# Altium PCB PCB1.PcbDoc (part 2 of 3)
Units mil, origin at the board's own origin, x right, y up, seen from the top; angles counter-clockwise.
Board outline 3937.01 x 2755.91 mil, 2 copper layers (Top Layer, Bottom Layer); 150 components, 153 nets, 622 pads, 556 vias.
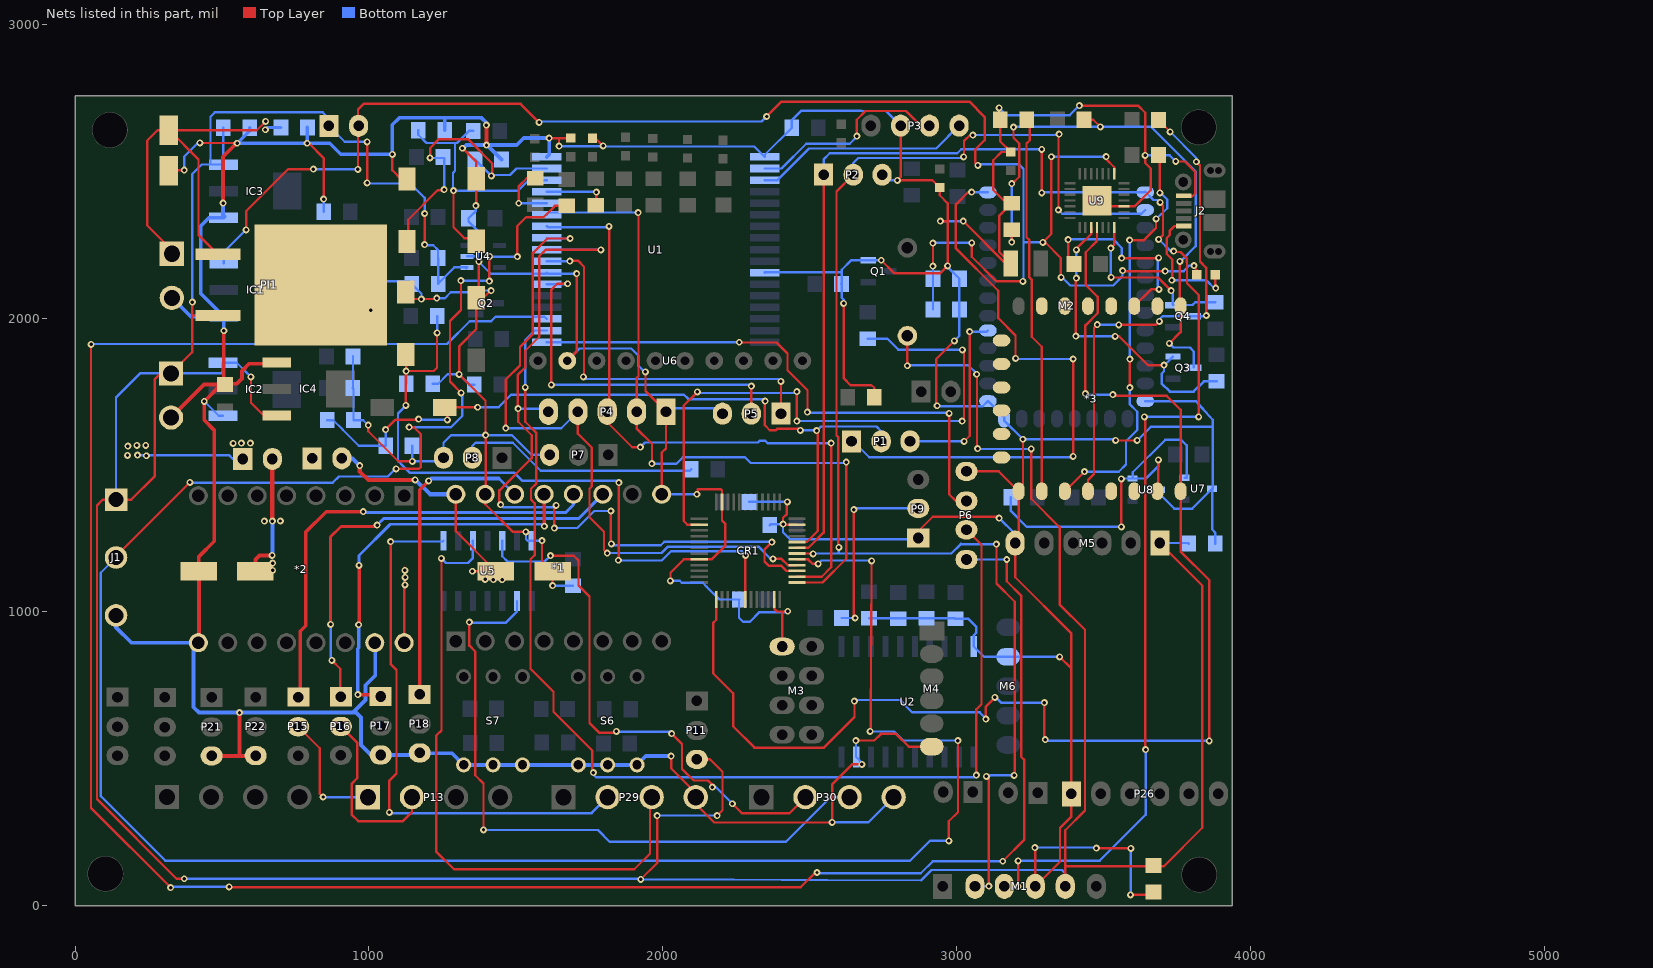
[diagram p2: the nets of this part, all layers, seen from the top]

## Via types
v1: diameter 23.62, hole 11.81, Top Layer to Bottom Layer, tented both sides, 529 vias
v2: diameter 23.62, hole 11.81, Top Layer to Bottom Layer, 27 vias

## Nets (pads, with @x,y where several pads share a name; then routed paths per layer and width w, separated by ;. In a path a pad name is that pad's centre, name@x,y a point inside that pad or via, vN(x,y) a via of type N, cw(c..) or ccw(c..) an arc to the next point about the centre after c; other vN are vias at no path point) (continued)
5V: B1.1 C1.2 C16.2 C22.2 C26.2 IC2.3 IC3.3 IC4.3 J1.1 M1.5 M5.1 P11.3 P23.1 P25.1 PI1.3 R23.2 U4.1 | length 13568.5
  Top Layer w8: v1(371.5,92.5) 345.5,92.5 74.5,363.5 74.5,1362.5 94.2,1382.2 J1.1@139.5,1382.2 191.2,1382.2 271.5,1462.5 271.5,1792 291,1811.5 P23.1@326.5,1811.5 399,1884 399,2008.5 ; v1(399,2054) 399,2008.5 ; PI1.3@486,2008.56 399.06,2008.56 399,2008.5 ; v1(598.5,1799.5) 598.5,1711.5 641.66,1668.34 IC4.3@686.5,1668.34 ; v1(993.5,2459.5) v1(993.5,2599.5) ; v1(1189.5,2249.5) v1(1189.5,2355.5) ; v1(1924.5,90.5) 1980.5,146.5 v1(1980.5,307.5) ; P11.3@2142.5,498.5 P11.3@2115.5,498.5 2116.5,499.5 2159.5,499.5 2202.5,456.5 2202.5,325.5 v1(2184.5,307.5) ; v1@2831.5,1833.5 v1(2831.5,1837.5) B1.1@2831.5,1939.5 ; v2(3067.25,1808.75) 3068.5,1807.5 3068.5,1557.5 v1(3070.5,1555.5) ; v1@3252.8,1556.06 v1(3252.8,1554.56) 3252.8,1385.2 3349.5,1288.5 3349.5,1025.5 3435.5,939.5 3435.5,324.5 3368.5,257.5 3368.5,133.5 ; M1.5@3368.5,66.5 3368.5,133.5 ; M5.1@3690.35,1234.5 3834.69,1090.16 3834.69,265.69 3704,135 3370,135 3368.5,133.5
  Bottom Layer w8: J1.1@139.5,1382.2 139.5,1729.5 221.5,1811.5 P23.1@326.5,1811.5 496.5,1811.5 503,1818 IC2.3@503,1847.66 550.34,1847.66 v1(598.5,1799.5) ; v1(371.5,92.5) 1922.5,92.5 v1(1924.5,90.5) 2878.12,86.5 2913.62,122 3357,122 3368.5,110.5 M1.5@3368.5,66.5 ; v1(399,2054) 399,2490 431.16,2522.16 IC3.3@460.84,2522.16 ; C16.2@504.5,2647.5 504.5,2522.16 IC3.3@460.84,2522.16 ; v1(993.5,2459.5) 995.5,2457.5 1140.5,2457.5 1189.5,2408.5 v1(1189.5,2355.5) ; v1(993.5,2599.5) 917.5,2599.5 P25.1@863.5,2653.5 863.5,2678.5 842.5,2699.5 475.5,2699.5 460.84,2684.84 IC3.3@460.84,2522.16 ; v1(1189.5,2249.5) 1191.5,2247.5 1218.5,2247.5 1234.5,2231.5 R23.2@1234.5,2204.5 1235.5,2203.5 C22.2@1235.5,2117.5 ; C22.2@1235.5,2115.5 C22.2@1235.5,2117.5 ; U4.1@1331.15,2169.5 U4.1@1333.75,2172.1 1290.1,2172.1 C22.2@1235.5,2117.5 ; v1(1980.5,307.5) v1(2184.5,307.5) ; v1@2834.31,1834.69 v1(2831.5,1837.5) 2833.31,1839.31 3038.69,1839.31 3067.25,1810.75 v2(3067.25,1808.75) ; v1(3070.5,1555.5) 3071.44,1554.56 v1(3252.8,1554.56) ; M5.1@3692.35,1232.5 M5.1@3690.35,1234.5 3786.5,1234.5 C26.2@3788.5,1232.5
5V_USB: D11.1 J2.1 | length 446.2
  Top Layer w8: v1@3728.01,2131.99 v1(3731.5,2128.5) 3732.31,2129.31 3732.31,2199.02 3713.69,2217.64 3713.69,2272.39 3724.5,2283.2 3724.5,2297.5 3740.08,2313.08 J2.1@3770.5,2313.08 ; D11.1@3879,2147.5 3879,2103 v1(3880.5,2101.5)
  Bottom Layer w8: v1(3731.5,2128.5) 3847.26,2128.5 3850.38,2125.38 3851,2126 3875.5,2101.5 v1(3880.5,2101.5)
5V_WIFI: C34.2 C35.2 D11.2 IC1.3 P25.2 U9.8 | length 5723.8
  Top Layer w8: v1(582,2299.5) 582,2363 725.5,2506.5 v1(810.5,2506.5) ; v1(962.5,2505.5) 962.5,2709 981.81,2728.31 1515.69,2728.31 v1(1578.5,2665.5) ; v1(2352.5,2685.5) 2403,2736 3042.33,2736 3094.31,2684.02 3094.31,2605.01 3062.69,2573.39 3062.69,2528.31 v1(3071.5,2519.5) v1@3073.56,2519.5 ; v1@2918.5,2172.5 v1(2918.5,2176.5) v1(2918.5,2254.5) ; v1(3050.5,2255.5) 3050.5,2208.5 3134.5,2124.5 v1(3224.5,2124.5) ; v1(3321.5,2548.63) 3321.5,2286.5 v1(3292.5,2257.5) 3300.38,2257.5 3353.5,2204.38 3353.5,2138.5 v1(3354.5,2138.5) ; v1(3507.56,2549.07) 3507.56,2540.77 3535.56,2512.77 U9.8@3535.56,2491 ; v1(3563.5,2161.5) 3565.5,2159.5 v1(3708.5,2159.5) ; v1(3806.5,2178.5) 3802.5,2178.5 3801.5,2177.5 3816,2163 D11.2@3816,2147.5
  Bottom Layer w8: IC1.3@506,2185.66 506,2225 580.5,2299.5 v1(582,2299.5) ; v1(810.5,2506.5) 811.5,2505.5 v1@957.5,2505.5 ; v1@1582.5,2666.5 1584.31,2668.31 2335.31,2668.31 v1(2352.5,2685.5) ; C34.2@2918.5,2029.5 C35.2@2918.5,2133.5 v1@2918.5,2172.5 ; v1@2919.5,2255.5 v1(3050.5,2255.5) ; v1(3071.5,2519.5) 3075.31,2523.31 3107.64,2523.31 3107.83,2523.5 3210.13,2523.5 3226.31,2507.32 3226.31,2257 ; v1(3224.5,2124.5) 3226.31,2126.31 3226.31,2257 ; v1(3292.5,2257.5) 3226.81,2257.5 3226.31,2257 ; v1(3321.5,2548.63) 3507.13,2548.63 v1(3507.56,2549.07) ; v1(3354.5,2138.5) 3357.59,2138.5 3385.4,2110.69 3531.78,2110.69 3563.5,2142.41 v1(3563.5,2161.5) ; v1(3708.5,2159.5) 3771.5,2159.5 3790.5,2178.5 v1(3806.5,2178.5)
12V: C14.2 C15.2 P10.1 P12.1 P24.1 PI1.1 | length 1774
  Top Layer w8: P24.1@329.36,2218.5 329.36,2230.64 245.4,2314.6 245.4,2603.4 280.4,2638.4 C14.2@319.5,2638.4 C14.2@321.1,2638.4 ; PI1.1@486,2216.44 420,2282.44 420,2539.5 C14.2@321.1,2638.4 ; v1(648.5,2669) 617.9,2638.4 C14.2@321.1,2638.4
  Bottom Layer w8: v1(212.5,1533.5) 523.5,1533.5 535.5,1521.5 536.5,1522.5 539.5,1519.5 555.5,1535.5 P12.1@570.5,1520.5
  Bottom Layer w10: v1(647.5,2640.5) 655.5,2648.5 C15.2@700.5,2648.5
  other v1: 242.5,1531.5 178.5,1532.5 179.5,1564.5 210.5,1566.5 240.5,1566.5 537.7,1573.17 565.77,1574.11 596.66,1574.12
12V_STEP: *1.9 *2.9 C12.1 C13.2 P10.2 P12.2 | length 1555.4
  Top Layer w8: P12.2@671.5,1520.5 P12.2@675.63,1524.64 ; *2.9@1119.5,895.5 1119.5,1150.62 1121.88,1148.25 v1(1121.88,1141.49) ; *1.9@1295.5,1400.5 1295.5,1274.5 C12.1@1431.5,1138.5 v1(1351.5,1138.5)
  Top Layer w13.78: C13.2@613.5,1138.5 613.5,1178 628,1192.5 v1(670.5,1192.5) ; v1(968.5,1497.5) 968.5,1478.5 998.5,1448.5 1159.5,1448.5 1159,1449 v1(1157,1449)
  Top Layer w14.96: v1(671.5,1308.76) P12.2@671.5,1520.5
  Bottom Layer w8: v1(670.5,1192.5) v1@671.5,1193.5
  Bottom Layer w13.78: v1@671.5,1193.5 v1(671.5,1308.76) ; P10.2@907.5,1522.5 943.5,1522.5 v1(968.5,1497.5) ; v1(1157,1449) 1159,1449 1207.5,1400.5 *1.9@1295.5,1400.5
  other v1: 1122.53,1092.06 1452.64,1109.67 1394.76,1110.76 1423.16,1110.39 1122.94,1117.58 672.2,1141.39 671.96,1166.47 644.23,1308.73 698.48,1309.45
BLU_KEY_HC05: M2.34 P1.1 | length 2044.4
  Top Layer w8: v1(3050.33,2428.33) 3038.67,2428.33 3038.5,2428.5 2996.5,2386.5 2996.5,2236.5 3140.5,2092.5 3140.5,1999.5 3199.5,1940.5 v1(3199.5,1862.5) ; v1(3395.5,1529.5) v1(3395.5,1860.5)
  Bottom Layer w8: P1.1@2641.5,1580.5 2647.5,1580.5 2701.5,1526.5 3392.5,1526.5 v1(3395.5,1529.5) ; v1(3050.33,2428.33) 3050.45,2428.33 3051.39,2427.39 M2.34@3105.5,2427.39 ; v1(3199.5,1862.5) 3197.5,1860.5 v1(3395.5,1860.5)
BLU_KEY_HC06: M2.26 P1.3 | length 628.5
  Top Layer w8: v1(3024.5,1580.5) 3043.44,1599.44 v1(3043.44,1953.44)
  Bottom Layer w8: P1.3@2840.5,1580.5 v1(3024.5,1580.5) ; v1(3043.44,1953.44) 3101.55,1953.44 M2.26@3105.5,1957.39
BLUE_KEY: C2.2 CR1.32 P1.2 R1.1 S1.2 | length 2671
  Top Layer w8: v1(1056.5,1620.5) 1088.97,1652.97 1089.95,1652.97 1090.29,1653.31 1166.31,1653.31 v1(1169,1656) ; v1(1266.5,1653.5) 1266.5,1685.18 1256.99,1694.69 S1.2@1257.8,1695.5 1258.8,1696.5 v1(1369.5,1696.5) ; v1(2347.5,1717) 2347.5,1722.5 2346,1724 2346,1635.5 2363.62,1617.88 2384.2,1617.88 2389.14,1622.81 2462.91,1622.81 v1(2467.84,1617.88) ; CR1.32@2455.5,1238.03 2489.03,1238.03 2526.31,1275.31 2526.31,1606.19 v1@2515.5,1617
  Bottom Layer w8: R1.1@857.5,1652.5 878.43,1652.5 910.5,1620.43 910.5,1620.03 965.03,1565.5 C2.2@1056.5,1565.5 v1(1056.5,1620.5) ; v1(1169,1656) 1171.5,1653.5 v1(1266.5,1653.5) ; v1(1369.5,1696.5) 1440.97,1696.5 1483.97,1739.5 2071,1739.5 2086.5,1724 2340.5,1724 v1(2347.5,1717) ; v1(2467.84,1617.88) 2520.88,1617.88 2521.5,1618.5 2522.5,1617.5 v1@2522,1617 ; v1@2515.5,1617 v1@2522,1617 ; P1.2@2742.5,1580.5 2742.5,1614.5 2726,1631 2538,1631 2524,1617 v1(2522.5,1617) v1@2522,1617
BLUE_RX: CR1.30 M1.2 M2.2 P2.2 | length 4722.6
  Top Layer w8: CR1.30@2455.5,1198.66 2509.34,1198.66 v1(2510.5,1197.5) ; v1(2598.31,1219.5) 2596.31,1221.5 2596.31,1595 2590.5,1600.81 2590.5,2430.5 P2.2@2647.5,2487.5 ; v1(3022.67,2548.33) 3024.31,2549.96 3024.31,2601.96 3046.85,2624.5 3048.85,2622.5 v1(3054.5,2622.5) ; v1(3100.5,440.5) 3106.5,440.5 3108.5,438.5 v1(3108.5,67.5) ; v1(3134.5,1230.5) 3134.5,1096.5 3196.5,1034.5 3196.5,446 v1(3194.5,444) ; v1(3345.5,2367.39) 3345.5,2623.5 v1(3347.5,2625.5)
  Bottom Layer w8: v1(2510.5,1197.5) 2511.81,1198.81 2597.5,1198.81 ; v1(2598.31,1219.5) 2598.31,1199.62 2597.5,1198.81 ; P2.2@2647.5,2487.5 2647.5,2527.5 2664.5,2544.5 3019.5,2544.5 3022.67,2547.67 v1(3022.67,2548.33) ; v1(3054.5,2622.5) 3345.5,2622.5 v1@3347.5,2624.5 ; M1.2@3061.5,66.5 3105.5,66.5 v1(3108.5,67.5) ; v1(3100.5,440.5) 3109.5,440.5 3113,444 v1(3194.5,444) ; v1(3134.5,1230.5) 3014.5,1230.5 3013.5,1231.5 2980.81,1198.81 2597.5,1198.81 ; v1(3345.5,2367.39) 3358.39,2354.5 3627.61,2354.5 M2.2@3640.5,2367.39
BLUE_TX: CR1.31 M1.3 M2.1 P2.1 | length 5702
  Top Layer w8: CR1.31@2455.5,1218.34 2494.8,1218.34 2546.5,1270.04 P2.1@2546.5,2487.5 ; v1(3208.5,65.5) v1(3208.5,153.5) ; v1(3288.54,2425.54) v1(3288.54,2573.39) ; v1(3637.43,1663.5) 3640.68,1660.24 3640.68,533.32 v2(3642,532) ; v1(3686.43,2267.76) 3701.31,2282.64 3701.31,2381.07 3691.5,2390.88 v1(3691.5,2393.5) ; v1(3737.5,2227.5) 3740.43,2224.57 3760.39,2224.57 3782.31,2202.65 3782.31,2188.74 3782.69,2188.36 3782.69,2118.3 3822.5,2078.48 v1(3822.5,1663.5) ; v1@3825.81,1663.69 v1@3826,1663.5
  Bottom Layer w8: P2.1@2546.5,2487.5 2546.5,2539.5 2567.5,2560.5 3001.17,2560.5 3014.98,2574.31 3287.62,2574.31 v1(3288.54,2573.39) ; M1.3@3161.5,66.5 3207.5,66.5 v1(3208.5,65.5) ; v1(3208.5,153.5) 3485.5,153.5 3642,310 v2(3642,532) ; v1(3288.54,2425.54) 3290.39,2427.39 M2.1@3640.5,2427.39 3640.5,2429.5 3668.31,2401.69 3683.31,2401.69 v1(3691.5,2393.5) ; v1(3637.43,1663.5) 3639.93,1661 3642.43,1663.5 v1(3822.5,1663.5) v1@3826,1663.5 ; v1(3686.43,2267.76) 3726.69,2227.5 v1(3737.5,2227.5)
BOOT0: P8.2 R14.2 | length 830.8
  Bottom Layer w8: P8.2@1351.5,1524.5 1351.5,1564.5 1362.5,1575.5 1489.2,1575.5 1584.01,1480.69 2091.69,1480.69 R14.2@2096.5,1485.5
BOOT1: P9.2 R15.2 | length 637.3
  Top Layer w8: v1(2649.5,1348.5) 2649.5,983.5 v1(2653.5,979.5)
  Bottom Layer w8: R15.2@2607.5,979.5 v1(2653.5,979.5) ; v1(2649.5,1348.5) 2653.5,1352.5 P9.2@2868.5,1352.5
BTN: C7.2 CR1.18 R13.1 S5.1 | length 2364.1
  Top Layer w8: v1(1125.5,1702.5) 1125.5,1814.5 1123.5,1816.5 v1(1126.5,1819.5) ; S5.1@1125.5,1876.2 1126.5,1875.2 v1(1126.5,1819.5) ; v1(1231.5,1949.5) 1231.5,1830.5 1220.5,1819.5 v1(1126.5,1819.5) ; v1(1848.5,1176) 1849.81,1177.31 v1(1849.81,1440.31) ; CR1.18@2279.66,1042.5 2279.66,1190.66 v1(2281.5,1192.5)
  Bottom Layer w8: v1(1125.5,1702.5) 1098.5,1675.5 1098.5,1513.5 1101.19,1510.81 1101.86,1510.81 1115.81,1496.86 1115.81,1496.19 1138,1474 1493.77,1474 1521.79,1445.98 1849.52,1445.98 1849.81,1445.69 v1(1849.81,1440.31) ; C7.2@1126.5,1776.5 v1(1126.5,1819.5) ; v1(1231.5,1949.5) 1232.5,1950.5 R13.1@1232.5,2006.5 ; v1@1846,1170 v1@1846,1176 ; v1(1848.5,1176) 1849.31,1175.19 1996.11,1175.19 2027.24,1206.31 2267.69,1206.31 v1(2281.5,1192.5)
BUZZER: CR1.2 R12.1 | length 2129.1
  Top Layer w8: v1(2117,1748.75) 2070.5,1702.25 2070.5,1309.5 2082.92,1297.08 CR1.2@2123.5,1297.08 ; v1(2455.32,1649.5) v1(2455.32,1749.68) v1@2455.32,1750.32 ; v1(3017.5,1649.5) 3024,1656 3024,1891.5 v1(3018.5,1891.5)
  Bottom Layer w8: v1(2117,1748.75) 2117,1747.5 2114.19,1744.69 2450.69,1744.69 v1@2455.5,1749.5 ; v1(2455.32,1649.5) v1(3017.5,1649.5) v1@3025.5,1649.5 ; v1@2455.5,1749.81 v1@2460.5,1749.81 ; R12.1@2696.5,1929.5 2763.5,1929.5 2800.5,1892.5 3017.5,1892.5 v1(3018.5,1891.5)
CP2102_DTR: Q4.2 R33.1 U9.28 | length 596.2
  Top Layer w8: v1(3523.5,2237.5) 3535.56,2249.56 U9.28@3535.56,2308 ; v1@3526.5,2140.5 3529.31,2137.69 3684.31,2137.69 v1(3728.5,2093.5)
  Bottom Layer w8: v1(3523.5,2237.5) 3523.5,2143.5 v1@3526.5,2140.5 ; v1(3728.5,2093.5) 3734.29,2087.71 Q4.2@3734.29,2044 3801.5,2044 3811,2053.5 R33.1@3879.5,2053.5
  other v1: 3524.5,2138.5
CP2102_RTS: Q3.2 R35.2 U9.24 | length 1053.8
  Top Layer w8: v1(3404.5,1938.5) 3404.5,2133.5 v1(3406.5,2135.5) ; v1(3406.5,2231.5) 3406.5,2235.99 3456.81,2286.3 U9.24@3456.81,2308 ; v1(3538.5,1937.5) 3552.5,1937.5 3650.5,1839.5 v1(3704.5,1839.5)
  Bottom Layer w8: v1(3404.5,1938.5) 3537.5,1938.5 v1(3538.5,1937.5) ; v1(3406.5,2135.5) v1(3406.5,2231.5) ; Q3.2@3735.29,1869 3705.79,1839.5 v1(3704.5,1839.5) 3704.5,1818.6 3696.29,1810.38 3696.29,1777.62 3724.4,1749.5 3805.24,1749.5 3840.24,1784.5 R35.2@3883.5,1784.5
DWM_BLE_WK: C5.2 R8.1 S3.1 U1.32 | length 956.8
  Top Layer w8: v1(1287.5,2433.5) 1287.5,2308.5 1324.5,2271.5 1364.5,2271.5 S3.1@1364.5,2261.2
  Bottom Layer w8: C5.2@1167.5,2638.5 1167.5,2623.5 1195.5,2595.5 1295.5,2595.5 ; R8.1@1354.5,2636.5 1340,2636.5 1299,2595.5 1295.5,2595.5 ; U1.32@1604.5,2469.2 1543.2,2469.2 1507.5,2433.5 v1(1287.5,2433.5) 1285.69,2435.31 1285.69,2493.69 1292.69,2500.69 1292.69,2592.69 1295.5,2595.5
DWM_nRST: C4.2 R7.1 S2.1 U1.33 | length 1006.6
  Top Layer w8: S2.1@1129.5,2260.2 1133.24,2263.94 1133.24,2334.5 1233.37,2434.63 1253.63,2434.63 v1(1255.5,2436.5) ; v1(1207.5,2544.5) 1208.5,2545.5 1208.5,2578.5 1238.5,2608.5 1336.5,2608.5 1419.5,2525.5 v1@1419.5,2483.5
  Bottom Layer w8: v1(1207.5,2544.5) 1254.5,2544.5 1255.5,2543.5 v1@1255.5,2437.5 ; C4.2@1360.5,2539.5 v1(1416.5,2483.5) 1419.31,2486.31 1479.31,2486.31 1501.57,2508.57 U1.33@1604.5,2508.57
DWM_READY: P6.2@3032.5,1279.5 U1.19 | length 3864
  Top Layer w8: v1(1531.5,1764) 1531.5,1646.83 1569.5,1608.83 1569.5,1437.4 1551.02,1418.92 1551.02,1382.08 1563.69,1369.41 1563.69,1193.5 1549.4,1179.22 1549.4,807 1627.5,728.9 1627.5,660.5 1759.5,528.5 1759.5,457.5 v1(1763.5,453.5) ; P6.2@3032.5,1279.5 3083.5,1228.5 3083.5,686.13 3066,668.63 v1(3066,445)
  Bottom Layer w8: v1(1531.5,1764) 1531.5,1925.33 1563.56,1957.39 U1.19@1604.5,1957.39 ; v1(1763.5,453.5) 1763.5,447 1772.5,438 3066,438 v1(3066,445)
DWM_RX: P6.3 U1.18 | length 1890.3
  Top Layer w8: v1(2259.5,1917.5) 2260.5,1916.5 2386.5,1916.5 2423.5,1879.5 2423.5,1822.5 2491.5,1754.5 v1(2491.5,1679.5) ; v1(2973.5,1675.5) 2973.5,1400.5 2995,1379 3031,1379 P6.3@3032.5,1377.5
  Bottom Layer w8: U1.18@1604.5,1918.02 v1@2259.5,1918.02 ; v1(2491.5,1679.5) 2493.31,1677.69 2971.69,1677.69 2973.5,1675.88 v1(2973.5,1675.5)
DWM_RX_LED: R10.2 U1.31 | length 216
  Top Layer w8: R10.2@1771.5,2383.5 1773.5,2385.5 v1(1773.5,2428.5)
  Bottom Layer w8: U1.31@1604.5,2429.83 1773.17,2429.83 1773.5,2429.5 v1(1773.5,2428.5)
DWM_SCL: P5.1 U1.25 | length 1303.8
  Top Layer w8: v1(1683.39,2193.61) 1685.09,2195.31 1710.69,2195.31 1731.5,2174.5 1731.5,1801.5 v1(1729.5,1799.5) ; P5.1@2401.5,1674.5 v1@2401.5,1783.5
  Bottom Layer w8: U1.25@1604.5,2193.61 v1(1683.39,2193.61) ; v1(1729.5,1799.5) 1729.5,1792.69 2392.31,1792.69 v1@2401.5,1783.5
  other v1: 2401.5,1784.5
DWM_SDA: P5.2 U1.23 | length 1237.5
  Top Layer w8: v1(1620.5,1772.5) 1620.5,2096.5 1640.5,2116.5 v1(1675.5,2116.5) ; P5.2@2300.5,1674.5 v1@2300.5,1757.5
  Bottom Layer w8: U1.23@1604.5,2114.87 1679.87,2114.87 1678.24,2116.5 v1(1675.5,2116.5) ; v1(1620.5,1772.5) 1621.31,1773.31 2289.69,1773.31 2298.5,1764.5 2300.5,1766.5 v1(2300.5,1768.5)
DWM_SPI_CLK: CR1.26 P4.3 U1.28 | length 2245.5
  Top Layer w8: v1(1816.5,2311.5) 1817.5,2310.5 1817.5,1688.5 P4.3@1810.5,1681.5 1810.5,1645.5 1895.5,1560.5 v1(1923,1560.5) ; CR1.26@2455.5,1119.92 2539.92,1119.92 2572,1152 v1(2572,1574.5)
  Bottom Layer w8: U1.28@1604.5,2311.72 1605.28,2312.5 1609.09,2308.69 1813.69,2308.69 v1(1816.5,2311.5) ; v1(1923,1560.5) 1938.81,1576.31 2064.23,1576.31 2064.42,1576.5 2322.83,1576.5 2328.45,1582.12 2348.17,1582.12 2355.8,1574.5 v1(2572,1574.5)
DWM_SPI_CSn: CR1.25 P4.2 U1.29 | length 2401.8
  Top Layer w8: v1(1915.19,2358.81) 1916.69,2357.31 1916.69,1801.69 1910.5,1795.5 P4.2@1910.5,1681.5 1910.5,1624.5 1962.5,1572.5 v1@1962.5,1505.5 ; CR1.25@2455.5,1100.23 2542.86,1100.23 2623.5,1180.87 v1(2623.5,1509.5)
  Bottom Layer w8: U1.29@1604.5,2351.09 1612.22,2358.81 1810.52,2358.81 1810.64,2358.69 1915.07,2358.69 v1(1915.19,2358.81) ; v1@1962.5,1505.5 1963.5,1504.5 2046.03,1504.5 2067.84,1526.31 2279.36,1526.31 2298.98,1506.69 2620.69,1506.69 v1(2623.5,1509.5)
  other v1: 1962.5,1505
DWM_SPI_MISO: CR1.27 P4.5 U1.26 | length 2844.6
  Top Layer w8: v1(1447.5,1365.5) 1446.5,1365.5 1443.5,1362.5 1443.5,1413.5 1553.5,1523.5 1553.5,1601.17 1507.5,1647.17 v1(1507.5,1691.5) 1505.69,1693.31 1505.69,1805.69 1531.5,1831.5 1531.5,1888.5 1579.5,1936.5 1579.5,2210.5 1600.61,2231.61 v1(1788.5,2231.61) ; P4.5@1610.5,1681.5 P4.5@1610.5,1704.59 ; v1(1630.5,1285.5) 1630.5,1356.5 v2(1636.5,1362.5) ; v1@1822,1343.5 v1@1823,1342.5 ; v1(1823,1343.5) v1@1823,1342.5 ; v1(1824.5,1231.5) 1823,1233 v1@1823,1342.5 ; v1(2370.5,1237.58) 2345.5,1212.58 2345.5,1171.5 2360.31,1156.69 2402.98,1156.69 2420.07,1139.6 CR1.27@2455.5,1139.6
  Bottom Layer w8: v1@1445.59,1365.5 v1(1447.5,1365.5) 1456.98,1356.02 1630.02,1356.02 v2(1636.5,1362.5) v2@1638,1364 ; v1(1507.5,1691.5) 1600.5,1691.5 P4.5@1610.5,1681.5 ; U1.26@1604.5,2232.98 1605.87,2231.61 v1(1788.5,2231.61) ; v1(1630.5,1285.5) 1708.5,1285.5 1766.5,1343.5 v1@1822,1343.5 ; v1(1824.5,1231.5) 1829.31,1226.69 1992.59,1226.69 2004.21,1238.31 2371.23,1238.31 v1(2370.5,1237.58)
DWM_SPI_MOSI: CR1.28 P4.4 U1.27 | length 2343.9
  Top Layer w8: v1(1465.31,1625.31) 1465.31,1790.77 1513.5,1838.96 1513.5,1901.27 1557.5,1945.27 1557.5,2221.5 1606.5,2270.5 v1(1684.5,2270.5) ; P4.4@1710.5,1681.5 1710.5,1606.5 1758,1559 1758,1427.32 1750.02,1419.34 1750.02,1322.48 1799.31,1273.19 1799.31,1211.69 v1(1810.5,1200.5) ; v1(2374.4,1180.5) 2403.5,1180.5 2424.71,1159.29 CR1.28@2455.5,1159.29
  Bottom Layer w8: v1@1467.52,1627.52 v1(1465.31,1625.31) 1591.26,1625.31 1592.07,1624.5 1628.93,1624.5 1629.24,1624.81 1653.81,1624.81 P4.4@1710.5,1681.5 ; U1.27@1604.5,2272.35 1606.35,2270.5 v1(1684.5,2270.5) ; v1(1810.5,1200.5) 1995.3,1200.5 2017.11,1222.31 2324.69,1222.31 2366.5,1180.5 v1(2374.4,1180.5)
DWM_SWCLK: P3.2 U1.2 | length 696.5
  Top Layer w8: v1(2659.5,2618.5) 2659.5,2674.43 2689.07,2704 2826.93,2704 2876.43,2654.5 P3.2@2906.5,2654.5
  Bottom Layer w8: U1.2@2346.23,2508.57 2403.57,2508.57 2487.5,2592.5 2635.5,2592.5 2660.5,2617.5 v1(2659.5,2618.5)
DWM_SWDIO: P3.1 U1.3 | length 738
  Bottom Layer w8: U1.3@2346.23,2469.2 2389.66,2469.2 2496.96,2576.5 2929.5,2576.5 P3.1@3007.5,2654.5
DWM_TX: P6.1@3032.5,1178.5 U1.20 | length 7649.6
  Top Layer w8: v1(54.5,1910.5) 54.5,333.5 v1(325.5,62.5) ; v2(524.5,65) 525.5,64 2469,64 2524.01,119.01 v1(2524.01,113.72) ; v1(3156,152) 3229.5,225.5 3229.5,496.5 3218.5,507.5 3218.5,1055.5 3169.5,1104.5 v1(3169.5,1178.5)
  Bottom Layer w8: v1(54.5,1910.5) 55.56,1911.56 1265.56,1911.56 1342.69,1988.69 1415.36,1988.69 1431.48,2004.81 1596.45,2004.81 U1.20@1604.5,1996.76 ; v1(325.5,62.5) 328,65 v2(524.5,65) ; v1(2524.01,113.72) 2526.74,111 2877.16,111 2918.16,152 v1(3156,152) ; P6.1@3032.5,1178.5 v1(3169.5,1178.5)
DWM_TX_LED: R9.2 U1.30 | length 220.2
  Top Layer w8: v1(1509.5,2390.46) 1510,2390.96 1510,2449 1536.5,2475.5 R9.2@1565.5,2475.5
  Bottom Layer w8: v1(1509.5,2390.46) U1.30@1604.5,2390.46
ENC_1A: P29.2 U5.1 | length 1880
  Top Layer w8: v1(1069.5,318.5) 1069.5,426.5 1093.69,450.69 1093.69,802.42 1073.5,822.61 v2(1073.5,1239)
  Bottom Layer w8: v2(1073.5,1239) 1074,1239.5 1251,1239.5 U5.1@1253.5,1242 ; v1@1074.36,315.64 1757.36,315.64 P29.2@1811.7,369.98
ENC_1B: P29.3 U5.3 | length 2153.1
  Top Layer w8: v1(1246.5,1182.5) 1246.5,965.5 1246.5,597.22 1228.31,579.03 1228.31,185.19 1289,124.5 1902.5,124.5 1955.69,177.69 1955.69,363.96 P29.3@1961.7,369.98
  Bottom Layer w8: v1(1246.5,1182.5) 1262.31,1166.69 1336.5,1166.69 1353.5,1183.69 U5.3@1353.5,1242
ENC_2A: P30.2 U5.5 | length 1845.2
  Top Layer w8: v1(1617.5,1191.5) 1696.35,1191.5 1712.5,1175.35 1712.5,1090.22 1750.02,1052.7 1750.02,621.98 1782.31,589.69 1837.8,589.69 v1(1841.62,593.5) ; v1(2029.5,586.5) 2065,551 2065,466 2104.5,426.5 2153.5,426.5 2168.5,411.5 v1(2168.5,404.5) ; v1(2236.5,347.5) 2268.5,315.5 2430.26,315.5 P30.2@2484.74,369.98
  Bottom Layer w8: U5.5@1453.5,1242 1453.5,1189.5 1471.55,1171.45 1597.45,1171.45 v1(1617.5,1191.5) ; v1(1841.62,593.5) 1841.12,593 2023,593 v1(2029.5,586.5) ; v1(2168.5,404.5) 2179.5,404.5 v1(2236.5,347.5)
ENC_2B: P30.3 U5.9 | length 2265.3
  Top Layer w8: v1(1341.5,965.5) 1341.5,885.5 1361.5,865.5 1361.5,444.5 1389.5,416.5 v1(1389.5,258.5)
  Bottom Layer w8: v1(1341.5,965.5) 1343.31,963.69 1465.69,963.69 1503.5,1001.5 U5.9@1503.5,1037 ; v1(1389.5,258.5) 1389.93,258.07 1778.93,258.07 1818.5,218.5 2418.5,218.5 2569.98,369.98 P30.3@2634.74,369.98
ESP_ADC: *3.2
ESP_ENB: *3.3 R29.2 | length 683.3
  Top Layer w8: v1(3378.5,2266.5) 3378.5,2203.5 R29.2@3398.5,2183.5 ; v1@3566.5,2204.5 3560.5,2210.5 v1(3560.5,2203.5) 3685.5,2203.5 v1(3686.5,2204.5) ; *3.3@3603.5,2040.5 3660.5,2097.5 v1(3687.5,2097.5)
  Bottom Layer w8: v1(3378.5,2266.5) 3380.5,2268.5 3530.5,2268.5 3561.5,2237.5 3560.5,2236.5 v1(3560.5,2203.5) ; v1(3687.5,2097.5) 3683.69,2101.31 3683.69,2197.69 v1@3690.5,2204.5
ESP_GPIO0: *3.18 Q4.3 R25.2 | length 1702.3
  Top Layer w8: *3.18@3446.02,1410.58 3446.02,1449.02 3466.5,1469.5 3466.5,1966.5 v1(3477.5,1977.5) ; v1(3550.5,1976.5) 3676.5,1976.5 v1(3688.5,1988.5) ; R25.2@3685.5,2673.5 v1(3725.5,2633.5) ; v1(3814.5,2531.5) 3827,2519 3827,2192 3848.5,2170.5 v1(3848.5,2008.5)
  Bottom Layer w8: v1(3477.5,1977.5) 3480.5,1974.5 3482.5,1976.5 v1(3550.5,1976.5) ; v1(3688.5,1988.5) 3688.5,1994.5 3700.5,2006.5 Q4.3@3804.86,2006.5 3846.5,2006.5 v1(3848.5,2008.5) ; v1(3725.5,2633.5) 3814.5,2544.5 v1(3814.5,2531.5)
ESP_GPIO2: *3.17 R27.2 | length 1421
  Top Layer w8: *3.17@3367.28,1410.58 v1(3434.01,1477.31) ; v1(3587.8,2265.04) 3636.04,2265.04 3677.5,2306.5 v1(3677.5,2337.5) ; v1(3588.5,1763.5) v1(3588.5,1860) ; R27.2@3685.5,2554.5 3690.5,2549.5 v1(3690.5,2425.5)
  Bottom Layer w8: v1(3434.01,1477.31) 3550.81,1477.31 3575,1501.5 3575,1581 3613.5,1619.5 3613.5,1681.06 3588.5,1706.06 v1(3588.5,1763.5) ; v1(3587.8,2265.04) 3587.8,1860.7 v1(3588.5,1860) ; v1(3677.5,2337.5) 3679.3,2337.5 3715.31,2373.51 3715.31,2403.36 3693.17,2425.5 v1(3690.5,2425.5)
ESP_GPIO4: *3.19
ESP_GPIO5: *3.20
ESP_GPIO9: *3.11
ESP_GPIO10: *3.12
ESP_GPIO12: *3.6
ESP_GPIO13: *3.7
ESP_GPIO14: *3.5
ESP_GPIO15: *3.16 R31.2 | length 1294.2
  Top Layer w8: R31.2@3237.5,2674.5 3247.52,2664.48 3247.52,2604.97 3236.5,2593.96 3236.5,2275.04 3246.5,2265.04 3246.5,2137.63 3254.5,2129.63 3254.5,1936.12 3288.54,1902.08 *3.16@3288.54,1410.58
ESP_GPIO16: *3.4
ESP_nRST: *3.1 C31.2 Q3.3 R30.2 | length 1976.9
  Top Layer w8: v1(3186.5,2258.5) C31.2@3186.5,2300.5 ; v1(3186.5,2457.5) 3189.37,2457.5 3212.25,2480.38 3212.25,2593.25 3192.5,2613 v1(3192.5,2649.5) ; R30.2@3432.5,2674.5 3463.81,2674.5 v2(3488,2650.31) ; v1(3722.5,1913.5) 3760.98,1951.98 *3.1@3760.98,2040.5 3758.5,2042.98 v1(3758.5,2192.5)
  Bottom Layer w8: v1(3186.5,2258.5) v1(3186.5,2457.5) ; v1(3192.5,2649.5) 3197.37,2649.5 3198.18,2650.31 v2(3488,2650.31) 3660.36,2650.31 3812.5,2498.17 3812.5,2244.5 3760.5,2192.5 v1(3758.5,2192.5) ; v1(3722.5,1913.5) 3736.5,1899.5 3792.5,1899.5 3805.86,1886.14 Q3.3@3805.86,1831.5
ESP_RX: *3.21 R28.2 U7.2 U8.2 | length 1257
  Top Layer w8: v1(3559.5,1289.5) v1(3559.5,1452.5) ; *3.21@3682.24,1410.58 3685.5,1413.84 v1(3685.5,1517.5)
  Bottom Layer w8: R28.2@3183.5,1390.5 3183.5,1343.5 3237,1290 3512.35,1290 3512.85,1289.5 v1(3559.5,1289.5) ; v1(3559.5,1452.5) 3561,1454 U8.2@3597.5,1454 ; v1(3685.5,1517.5) 3685.5,1496.5 3643,1454 U8.2@3597.5,1454 ; U7.2@3774.5,1457 3781.5,1457 3781.5,1566.97 3762.97,1585.5 3708.5,1585.5 3598.31,1475.31 3598.31,1454.81 U8.2@3597.5,1454
ESP_SPI_CLK: *3.14
ESP_SPI_INT: *3.13
ESP_SPI_MISO: *3.10
ESP_SPI_MOSI: *3.9
ESP_TX: *3.22 CR1.13 U9.25 | length 4561.8
  Top Layer w8: CR1.13@2181.23,1042.5 2181.23,973.56 2170.59,962.91 2170.59,791.41 2239,723 2239,610.5 2311,538.5 2547.5,538.5 2651.5,642.5 v1(2651.5,696.5) ; v1(3098.5,635.5) 3098.5,678.5 v1(3129.5,709.5) ; v1(3297.5,691.5) 3297.5,568.5 v1(3300.5,565.5) ; v1(3437.13,1742.5) 3437.13,1974.94 3479.02,2016.83 3479.02,2071.89 3438.5,2112.41 3438.5,2223.5 3476.5,2261.5 U9.25@3476.5,2308 ; v1(3530.87,1739.5) 3535.38,1734.99 3714.01,1734.99 3760.98,1688.02 *3.22@3760.98,1410.58 3760.98,1206.02 3858.5,1108.5 v1(3858.5,561.5)
  Bottom Layer w8: v1(2651.5,696.5) 2651.5,700.5 2806.17,700.5 2848.17,658.5 3077.55,658.5 3098.5,637.55 v1(3098.5,635.5) ; v1(3129.5,709.5) 3132.5,709.5 3150.5,691.5 v1(3297.5,691.5) ; v1(3300.5,565.5) 3300.5,564.5 3303.5,561.5 v1(3858.5,561.5) ; v1(3437.13,1742.5) 3440.13,1739.5 v1(3530.87,1739.5)
GND: *1.10 *1.16 *2.10 *2.16 *3.15 C1.1 C2.1 C3.1 C4.1 C5.1 C6.1 C7.1 C8.1 C9.1 C10.1 C11.1 C12.2 C13.1 C14.1 C15.1 C16.1 C17.1 C18.1 C19.1 C20.1 C21.1 C22.1 C23.1 C24.1 C25.1 C26.1 C27.1 C28.1 C29.1 C30.1 C31.1 C32.1 C33.1 C34.1 C35.1 CR1.8 CR1.23 CR1.35 CR1.47 D1.2 D2.2 D7.2 D8.2 IC1.1 IC2.1 IC3.1 IC4.1 J1.3 J2.5 M1.4 M2.13 M2.21 M2.22 M3.1 M4.6 M5.6 M6.2 P2.3 P3.3 P4.1 P5.3 P6.4 P7.3 P8.3 P9.1 P17.3 P18.3 P21.3 P22.3 P23.2 P24.2 P26.1 P29.4 P30.4 PI1.2 Q1.2 Q2.2 R1.2 R31.1 R34.1 S2.2 S3.2 S4.2 S5.2 S6.1 S6.2 S6.3 S7.1 S7.2 S7.3 U1.1 U1.11 U1.24 U1.34 U2.10 U2.19 U4.2 U5.7 U6.2 U7.3 U8.3 U9.3 U9.29 | length 29278.7
  Top Layer w8: C14.1@322.6,2500.6 C14.1@319.5,2500.6 321.9,2503 v2(371.5,2503) ; v2(425,2595.5) 548.41,2595.5 v1@549.41,2594.5 ; v1(789.5,2594.5) 795.5,2594.5 845.5,2544.5 v1(845.5,2404.5) ; v1(997.5,1635.5) 997.5,1614.5 1099.5,1512.5 v1(1147.5,1512.5) ; v1(1079.5,2556.5) 1079.5,2502.5 1109.2,2472.8 S2.2@1129.5,2472.8 ; S5.2@1125.5,2088.8 1149.8,2064.5 v1(1178.5,2064.5) 1227.5,2064.5 v1(1230.5,2067.5) v1@1230.5,2068.5 ; v1@1318.01,2578.5 1364.5,2532.01 S3.2@1364.5,2473.8 1364.5,2383.5 v1(1363.5,2382.5) ; v1(1373.5,2191.5) 1373.5,2077.8 S4.2@1364.5,2068.8 ; v1(1415.5,2093.5) 1414.5,2093.5 1389.8,2068.8 S4.2@1364.5,2068.8 ; v1(1534,1272.5) 1489.5,1272.5 1395.5,1366.5 *1.10@1395.5,1400.5 1397,1402 1397,1600.5 1396.5,1601 v1(1396.5,1601.5) 1396.5,1718.5 v1(1306.5,1808.5) 1306.5,1903.5 1364.5,1961.5 S4.2@1364.5,2068.8 ; v1(1588.5,1242.5) 1588.5,1174.41 C12.2@1624.41,1138.5 1624.5,1138.41 v1(1624.5,1089.5) ; v1(1613,2612) 1646.5,2612 ; v1(1646.5,2584.5) 1646.5,2612 ; U6.2@1674.5,1854.5 1706.31,1886.31 v1(1706.31,2150.69) ; D7.2@1686.5,2612 1646.5,2612 ; D8.2@1760.5,2611.26 1770.74,2611.26 v1(1796.5,2585.5) ; v1(1940.5,1816.5) 1940.5,1751.5 P4.1@2010.5,1681.5 2010.5,1556.5 1995.5,1541.5 *1.16@1995.5,1400.5 ; v1(2025.5,1105.5) 2025.5,1133.45 2071.03,1178.97 CR1.8@2123.5,1178.97 2165.65,1178.97 2212.5,1225.83 2212.5,1299.17 2200.92,1310.76 CR1.47@2200.92,1374.5 2200.92,1413.66 2197.07,1417.5 2118.5,1417.5 2118.5,1403.5 v1(2115.5,1400.5) ; v1(2027.5,509.5) 2028.5,510.5 2028.5,467.5 2111.7,384.3 P29.4@2111.7,369.98 2101.5,359.78 2101.5,356.83 2174.64,283.69 v1@2575.5,283.69 ; CR1.23@2378.08,1042.5 2378.08,1011.72 2388.3,1001.5 2405.5,1001.5 ; M3.1@2405.5,882.5 2405.5,1001.5 ; v1(2423.5,1374.5) 2421.53,1372.53 2421.53,1333.27 2408.5,1320.24 v1(2408.5,1298.5) 2409.92,1297.08 CR1.35@2455.5,1297.08 ; v1(2424.5,1002.5) 2423.5,1001.5 2405.5,1001.5 ; v1(2575.5,284.5) 2575.5,413.5 2643.5,481.5 v1(2677,481.5) ; v1(2614.5,2049.5) 2614.5,1795.5 2638.5,1771.5 2709.5,1771.5 2718.5,1762.5 C29.1@2718.5,1730.5 ; v1(2656.5,562.5) 2718.5,562.5 2741.31,585.31 2792.69,585.31 2835.98,542.02 M4.6@2914.5,542.02 ; v1(2742.69,2196.5) 2786.5,2152.69 2943.69,2152.69 v1(2968.5,2177.5) 2968.5,2329 ; P3.3@2808.5,2654.5 2808.5,2479.5 v1(2797.5,2468.5) 2917,2468.5 D2.2@2941.5,2444 2941.5,2417.5 2968.5,2390.5 2968.5,2329 ; P9.1@2868.5,1251.5 2868.5,1274.5 2918,1324 3139,1324 v1(3143.5,1319.5) ; v1(2932.5,1701.5) 2929.5,1704.5 2929.5,1860.5 v1(2991.5,1922.5) ; v1(2943.5,2329.5) 2968,2329.5 2968.5,2329 ; v1(3021.5,2329.5) 3165.5,2185.5 C30.1@3183.49,2185.5 3143.5,2225.49 3143.5,2347.5 C31.1@3186.5,2390.5 3168.5,2390.5 3123.5,2435.5 3123.5,2536.5 3151.5,2564.5 D1.2@3183.5,2564.5 3147.5,2600.5 R31.1@3147.5,2674.5 3143.5,2678.5 v1(3143.5,2714.5) ; P6.4@3032.5,1478.5 3141.88,1478.5 *3.15@3209.8,1410.58 ; v1(3224.69,1587.5) 3224.69,1429.47 3212.5,1417.28 3214.5,1415.28 *3.15@3209.8,1410.58 ; v1(3265.5,198.5) 3266.5,197.5 M1.4@3266.5,66.5 3350.5,150.5 3350.5,264.96 3389.5,303.96 P26.1@3389.5,381.5 3389.5,807.5 ; v1(3349.5,847.5) 3389.5,807.5 ; v1(3416.5,2722.5) 3615.97,2722.5 3640.5,2697.97 v1(3640.5,2553.5) 3640.5,2527.17 3659.31,2508.36 3659.31,2435.06 3604.07,2379.81 U9.3@3568,2379.81 3496.19,2379.81 U9.29@3476.5,2399.5 ; v1(3474.5,196.5) 3590.5,196.5 v1(3591.5,195.5) ; v1(3540,1583.5) v1(3613.24,1583.5) v1@3616.87,1579.87 ; v1(3590.5,37.5) 3666.5,37.5 C1.1@3667.5,36.5 ; v1(3744.5,2532.5) 3775.5,2532.5 3811,2497 3811,2424 3801.01,2414.01 3771.17,2414.01 J2.5@3770.5,2414.68 ; *3.15@3209.8,1410.58 3209.8,1246.08 M5.6@3198.22,1234.5 3198.22,1117.78 3389.5,926.5 3389.5,807.5
  Top Layer w12: C13.1@420.59,1138.5 421.5,1139.41 421.5,1188.5 473.02,1240.02 473.02,1618.98 471.5,1620.5
  Top Layer w13: P23.2@326.5,1661.5 438.5,1773.5 C21.1@496.5,1773.5 ; *2.16@419.5,895.5 421.5,897.5 C13.1@421.5,1139.41 ; P21.3@464.5,510.5 559.5,510.5 ; 471.5,1620.5 439.5,1652.5 v1(439.5,1716.5) C21.1@496.5,1773.5 ; v1(503.5,2390.5) 503.5,2548.59 v1@549.41,2594.5 ; C21.1@506,1778 v1(506,1956.74) ; v1(559.5,657.5) 559.5,510.5 ; P22.3@614.5,511.5 613.5,510.5 559.5,510.5 ; IC4.1@686.5,1848.66 682.34,1844.5 592.11,1844.5 567.48,1819.87 567.48,1794.48 549.08,1776.07 513.08,1776.07 C21.1@510.5,1773.5 C21.1@496.5,1773.5 ; v1(1399.5,2656.5) 1399.75,2656.25 v1(1399.75,2588)
  Bottom Layer w8: v2(371.5,2503) 371.5,2549.5 417.5,2595.5 v2(425,2595.5) ; v1(439.5,1716.5) 488.66,1667.34 IC2.1@503,1667.34 ; P21.3@464.5,510.5 P21.3@464.5,528.5 ; P22.3@608.5,510.5 P22.3@614.5,516.5 ; v1(845.5,2404.5) 845.5,2362.5 C19.1@846.5,2361.5 ; C18.1@945.5,1869.5 945.5,1762.5 C20.1@944.5,1761.5 947.5,1758.5 R1.2@947.5,1652.5 980.5,1652.5 v1(997.5,1635.5) ; C33.1@951.5,2235.5 951.5,2126.5 C32.1@950.5,2125.5 ; v1(1005.5,2026.5) C17.1@949.5,2026.5 949.5,2124.5 C32.1@950.5,2125.5 ; C2.1@1146.5,1565.5 1147.5,1564.5 v1(1147.5,1512.5) 1241.5,1512.5 P8.3@1253.5,1524.5 1253.5,1575.5 1279.5,1601.5 v1(1396.5,1601.5) 1485.83,1601.5 1552.83,1534.5 P7.3@1614.5,1534.5 ; v1(1178.5,2064.5) 1178.5,2082.5 C22.1@1145.5,2115.5 1135.5,2125.5 C32.1@950.5,2125.5 ; C7.1@1216.5,1776.5 1235.5,1776.5 1267.5,1808.5 v1(1306.5,1808.5) 1341.5,1773.5 C23.1@1358.5,1773.5 ; v1(1230.5,2067.5) 1258.38,2067.5 1278.38,2087.5 Q2.2@1363.5,2087.5 1369.5,2093.5 v1(1415.5,2093.5) ; U4.2@1333.75,2209.5 1370.5,2209.5 ; v1(1363.5,2382.5) 1363.5,2364.5 C6.1@1338.5,2339.5 1338.5,2328.5 1370.5,2296.5 1370.5,2209.5 ; v1(1534,1272.5) 1534,1247.81 1539.31,1242.5 v1(1588.5,1242.5) ; v1(1624.5,1089.5) C28.1@1693.5,1089.5 ; v1(1646.5,2584.5) 1795.5,2584.5 v1(1796.5,2585.5) 1798.5,2583.5 2310.67,2583.5 U1.1@2346.23,2547.94 2346.23,2555.23 R34.1@2438.5,2647.5 2438.5,2673.5 2469.5,2704.5 2674.13,2704.5 2674.63,2704 2759,2704 P3.3@2808.5,2654.5 ; U6.2@1674.5,1854.5 1716.5,1896.5 1891.9,1896.5 1916.5,1871.9 1916.5,1837.5 1937.5,1816.5 v1(1940.5,1816.5) ; v1(1706.31,2150.69) 1608.05,2150.69 U1.24@1604.5,2154.24 1600.86,2150.6 1414.4,2150.6 v1(1373.5,2191.5) 1371.5,2191.5 1370.5,2190.5 1370.5,2209.5 ; *1.16@1995.5,1400.5 v1(2115.5,1400.5) ; P4.1@2010.5,1681.5 2010.5,1693.5 2202.5,1693.5 P5.3@2202.5,1674.5 ; v1(2025.5,1105.5) 2026.5,1106.5 2056.83,1106.5 2064.02,1099.31 2135.36,1099.31 2149.31,1085.36 2149.31,1085.19 2192,1042.5 C8.1@2259.5,1042.5 2258.69,1041.69 2258.69,980.64 2272.64,966.69 2295.69,966.69 2328.5,999.5 2421.5,999.5 v1(2424.5,1002.5) ; C10.1@2292.5,1374.5 v1(2423.5,1374.5) ; U1.11@2346.23,2154.24 2346.23,2156 2607.5,2156 2608,2156.5 ; C9.1@2363.5,1295.5 2366.5,1298.5 v1(2408.5,1298.5) 2408.5,1271.03 2432.22,1247.31 2864.31,1247.31 P9.1@2868.5,1251.5 ; v1(2575.5,284.5) 2699.26,284.5 P30.4@2784.74,369.98 ; C3.1@2606.5,2116.5 C3.1@2607.5,2115.5 ; v1(2614.5,2049.5) 2614.5,2062.62 2608.5,2068.62 2608.5,2114.5 C3.1@2607.5,2115.5 ; v1(2656.5,562.5) 2656.5,507.5 U2.19@2657.5,506.5 2678.5,485.5 2677,484 v1(2677,481.5) ; C11.1@2701.5,978.5 C25.1@2896.5,978.5 2993.5,978.5 C24.1@2995.5,976.5 3039.5,976.5 3065.31,950.69 3065.31,928.22 3057.5,920.41 U2.10@3057.5,882.5 3092.5,847.5 M6.2@3174.5,847.5 v1(3349.5,847.5) ; v1(2742.69,2196.5) 2742.19,2196 Q1.2@2698.29,2196 2640,2196 2608,2164 2608,2156.5 ; P2.3@2745.5,2487.5 2764.5,2468.5 v1(2797.5,2468.5) ; v1(2932.5,1701.5) 2934,1700 3088.11,1700 M2.22@3105.5,1717.39 3160.5,1662.39 M2.21@3160.5,1657.39 3160.5,1651.69 v1(3224.69,1587.5) 3536,1587.5 v1(3540,1583.5) ; v1(2943.5,2329.5) v1(3021.5,2329.5) ; v1(2968.5,2177.5) 2968.5,2173.5 C35.1@3008.5,2133.5 C34.1@3008.5,2029.5 3008.5,1939.5 v1(2991.5,1922.5) ; v1(3143.5,1319.5) 3198.22,1264.78 M5.6@3198.22,1234.5 ; v1(3143.5,2714.5) 3168.5,2689.5 3383.5,2689.5 v1(3416.5,2722.5) ; v1(3265.5,198.5) 3472.5,198.5 v1(3474.5,196.5) ; v1(3590.5,37.5) 3591.5,38.5 v1(3591.5,195.5) ; v1(3613.24,1583.5) 3659.24,1629.5 3870.5,1629.5 ; M2.13@3640.5,1717.39 3813.5,1717.39 3834.2,1694.23 3870.5,1653.62 3870.5,1629.5 ; v1(3640.5,2553.5) 3723.5,2553.5 v1(3744.5,2532.5) v1@3740.5,2528.5 ; U8.3@3691.5,1416.5 3691.5,1399.5 3739.5,1351.5 3800.5,1351.5 U7.3@3868.5,1419.5 ; C26.1@3878.5,1232.5 3878.5,1270.5 3868.5,1280.5 U7.3@3868.5,1419.5 ; C3.1@2607.5,2115.5 2608,2116 2608,2156.5 ; U7.3@3868.5,1419.5 3870.5,1419.5 3870.5,1629.5
  Bottom Layer w12: C16.1@594.5,2647.5 594.5,2637.5 v1(551.5,2594.5) v1(789.5,2594.5) v1@790.5,2594.5 ; C15.1@790.5,2648.5 v1@790.5,2594.5 ; C5.1@1257.5,2638.5 1257.5,2680.5 ; v1(1399.5,2656.5) 1399.5,2663.8 1382.8,2680.5 1257.5,2680.5 ; v1@790.5,2594.5 866.5,2594.5 904.5,2556.5 v1(1079.5,2556.5) 1079.5,2657.5 1102.5,2680.5 1257.5,2680.5
  Bottom Layer w13: J1.3@139.5,988.5 139.5,947.5 191.5,895.5 *2.16@419.5,895.5 403,879 403,676 421.5,657.5 v1(559.5,657.5) 945.5,657.5 ; P24.2@329.36,2068.5 329.36,2069.64 393.5,2005.5 IC1.1@505.84,2005.5 ; v1(503.5,2390.5) 503.5,2349.84 508.5,2344.84 IC3.1@505,2341.34 456.34,2341.34 427.5,2312.5 427.5,2083.84 IC1.1@505.84,2005.5 ; v1(506,1956.74) IC1.1@506,2005.34 IC1.1@505.84,2005.5 ; *2.10@1019.5,895.5 1021.5,893.5 1021.5,784.3 988,750.8 988,700 945.5,657.5 ; v1(1317.5,2577.5) 1320.96,2577.5 1331.46,2588 v1(1399.75,2588) v1@1402,2588 ; C4.1@1450.5,2539.5 v1@1402,2588 ; U1.34@1604.5,2547.94 1613,2556.44 v1(1613,2612) 1526.5,2612 1502.5,2588 v1@1402,2588 ; v1(2027.5,509.5) 1941.64,509.5 1911.96,479.82 S7.3@1522.01,479.82 S7.2@1422.01,479.82 S7.1@1322.01,479.82 1282.33,519.5 1173.5,519.5 P18.3@1172.5,520.5 1165.5,513.5 P17.3@1039.5,513.5 1006.5,513.5 972.5,547.5 972.5,640.5 955.5,657.5 945.5,657.5
LED: CR1.29 J1.2 R16.1 | length 7949.6
  Top Layer w8: J1.2@139.5,1185.35 139.5,1189.5 v1(390.5,1440.5) ; v1(1092,1487) 1170,1487 1176.5,1493.5 1176.5,1604.5 1152.5,1628.5 v1(1136.5,1628.5) ; v1(1312.75,2127.25) 1312.75,2026.75 1275.5,1989.5 1275.5,1783.5 v1(1313.5,1745.5) ; v1(1409.5,2125.5) v1@1409.5,2208.5 ; v1(1504.5,2208.5) 1504.5,2312.5 1534.5,2342.5 1593.38,2342.5 1632.38,2381.5 R16.1@1672.5,2381.5 ; CR1.29@2455.5,1178.97 2493.94,1178.97 2509.41,1163.5 v1(2527.5,1163.5) ; v1(2704.5,593.5) 2707,596 v1(2709.5,1173.5) ; v1(2972.5,221.5) 2972.5,287.74 3003.5,318.74 v1(3003.5,562.5)
  Bottom Layer w8: 87.5,372.5 87.5,373.5 ; J1.2@139.5,1185.35 87.5,1133.35 87.5,373.5 ; 317.66,153.53 307.47,153.53 87.5,373.5 ; 317.7,153.5 1690.13,153.5 ; v1(390.5,1440.5) 389.5,1440.5 388.98,1439.98 876.75,1439.98 897.46,1460.69 1063.69,1460.69 v1@1086.5,1483.5 ; v1@1139.5,1631.5 v1(1136.5,1628.5) 1138.5,1626.5 1140.69,1628.69 1279.19,1628.69 1317.5,1667 1317.5,1739.92 1313.5,1743.92 v1@1315.08,1745.5 ; v1(1312.75,2127.25) 1406.25,2127.25 1407.5,2128.5 1409.5,2126.5 v1(1409.5,2125.5) ; v1(1410.5,2209.5) 1411.5,2208.5 v1(1504.5,2208.5) ; 1690.16,153.53 2840.53,153.53 2908.5,221.5 v1(2972.5,221.5) ; v1(2527.5,1163.5) 2539.19,1175.19 2707.81,1175.19 v1(2709.5,1173.5) ; v1(2704.5,593.5) 2785.5,593.5 2816.5,562.5 v1(3003.5,562.5)
MTR1_A1: *1.13 P15.1 | length 1552.3
  Top Layer w12: P15.1@759.5,718.5 765.69,724.69 765.69,847.19 765.98,847.48 765.98,933.93 784.69,952.64 784.69,1272.19 854,1341.5 v1(980.5,1341.5)
  Bottom Layer w10: v1(980.5,1341.5) 984.31,1337.69 1577.56,1337.69 1577.89,1338.02 1621.43,1338.02 1621.76,1337.69 1668.19,1337.69 1695.5,1365 *1.13@1695.5,1400.5
MTR1_A2: *1.14 P16.1 | length 1532.7
  Top Layer w8: v1(874.02,834.98) 902.5,806.5 P16.1@902.5,722.5
  Top Layer w10: v1(869.5,957.5) 869.5,1255.5 904.69,1290.69 1022.69,1290.69 v1(1027.5,1295.5)
  Bottom Layer w8: v1(869.5,957.5) 869.5,839.5 v1(874.02,834.98)
  Bottom Layer w10: v1(1027.5,1295.5) 1049.31,1317.31 1712.31,1317.31 *1.14@1795.5,1400.5
MTR1_B1: *1.12 P17.1 | length 1337.4
  Top Layer w8: v1(964.5,956.5) v1@966.57,958.57 ; P17.1@1033.5,718.5 P17.1@1039.5,712.5
  Top Layer w12: v1(962.19,718.5) P17.1@1033.5,718.5 ; *1.12@1595.5,1400.5 v1@1596.47,1297.5
  Top Layer w13: v1@966.57,958.57 v2@966.57,1158.5
  Bottom Layer w10: v2(966,1158.5) 966,1192 1072.31,1298.31 1595.69,1298.31 1596.5,1297.5 v1(1596.5,1291.5)
  Bottom Layer w11: 965.5,878.6 v1@965.5,954.5
  Bottom Layer w12: v1(962.19,718.5) 962.19,875.28 965.5,878.6
MTR1_B2: *1.11 P18.1 | length 1060.1
  Top Layer w8: *1.11@1492.5,1400.5 *1.11@1495.5,1400.5
  Top Layer w12: P18.1@1172.5,719.5 1172.5,1415.5 v1(1203,1446)
  Bottom Layer w8: v1(1203,1446) v1@1211,1454 ; 1442,1454 *1.11@1495.5,1400.5
  Bottom Layer w12: v1@1211,1454 1442,1454
MTR1_C1: P13.1 P15.2 | length 422.8
  Top Layer w8: P15.2@759.5,609.5 832.5,536.5 832.5,382 v2(844,370.5) ; P13.1@992.87,366.69 P13.1@996.16,369.98
  Bottom Layer w8: v2@852.02,369.98 P13.1@996.16,369.98
MTR1_C2: P13.2 P16.2 | length 603.5
  Top Layer w8: P16.2@904.5,610.5 959.5,555.5 959.5,434.39 941.82,416.7 ; 941.82,412.7 941.82,309.82 963.13,288.5 1115.5,288.5 1146.16,319.16 P13.2@1146.16,369.98